# Allegro board RK3576_Template_LP5D315P132SD8_25x36_2400MHz_H1R0_V11_20240530YWQ.brd (continued)
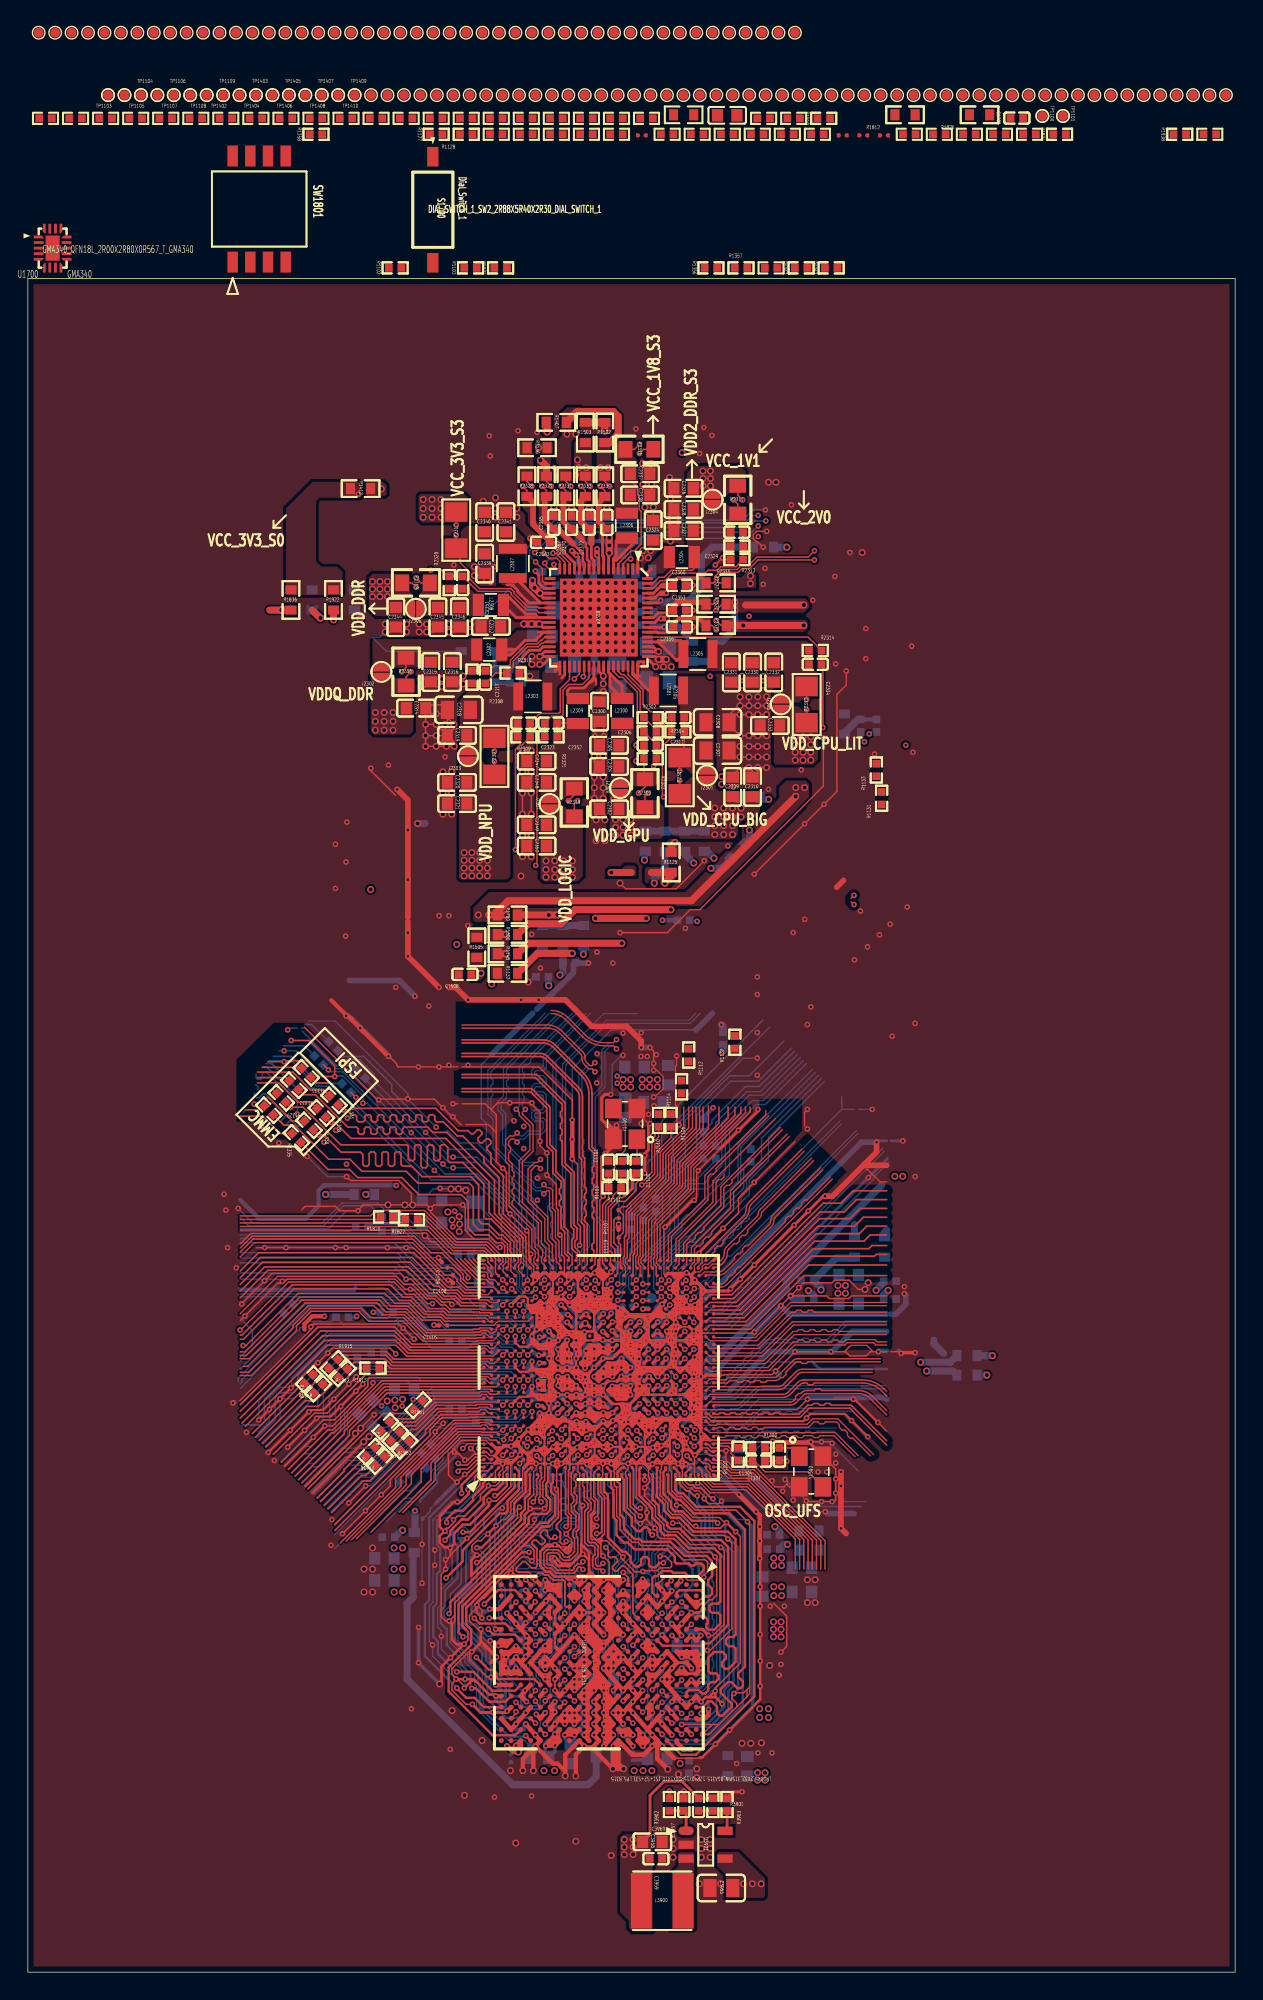
[diagram p0: board, top side]
## Copper pours and planes (outline as drawn; the poured copper is in the pictures) (continued)
PMIC_SW8 on TOP: 42.13,101.52 42.06,101.59 42.1,101.63 42.2,101.77 42.23,101.95 42.23,102.2 42.27,102.23 42.27,103.38 43.66,103.38 43.79,103.25 43.79,102.68 43.6,102.49 43.31,102.49 42.35,101.53 42.25,101.53 42.24,101.52
PMIC_SW9 on TOP: 44.47,100.33 44.47,100.61 44.57,100.71 44.57,100.99 45.82,102.24 46.46,102.24 46.46,100.96 46.11,100.96 45.61,100.46 45.23,100.46 45.13,100.35 45.11,100.35 45.09,100.33
PMIC_SW10 on TOP: 33.76,97.41 33.76,97.77 33.77,97.78 33.77,98.8 33.78,98.8 33.78,98.93 34.54,98.93 35.87,97.61 36.41,97.61 36.55,97.47 36.55,97.36 36.5,97.31 35.63,97.31 35.53,97.29 35.43,97.26 35.42,97.25 35.23,97.25 35.18,97.3 35,97.3 34.9,97.41
PMU_DVDD0V75 on L4-SIG: 44.07,40.64 44.33,40.89 44.33,45.09 44.83,45.59 44.83,46.61 45.59,47.37 46.86,47.37 47.37,47.88 47.37,49.91 47.5,49.91 48.64,51.05 49.02,51.05 50.36,52.39 50.36,54.86 50.42,54.93 50.42,57.02 49.91,57.02 49.4,56.52 49.4,54.1 46.8,51.5 46.8,50.74 46.36,50.29 46.36,47.88 46.23,47.75 45.47,47.75 44.07,46.35 43.94,46.35 43.44,45.85 43.05,45.85 42.61,45.4 42.61,43.94 42.07,43.4 42.07,43.08 41.91,42.93 41.91,41.53 42.8,40.64
PMUIO0_VCC1V8 on TOP: 46.61,79.38 46.61,78.61 46.1,78.1 44.58,78.1 44.32,78.36 44.32,79.25 44.45,79.38
PMUIO0_VCC1V8 on L4-SIG: 45.34,50.42 45.34,51.82 46.48,52.96 46.48,53.09 45.59,53.09 44.7,52.2 44.7,47.88 44.32,47.5 43.81,47.5 43.05,46.74 43.05,46.23 43.18,46.1 43.31,46.1 44.83,47.62 44.83,49.91
PMUIO1_VCC on L4-SIG: 43.94,52.83 43.31,52.83 43.31,50.55 43.43,50.42 43.43,47.75 43.56,47.62 43.81,47.62 43.94,47.75
SARADC_AVDD1V8 on L4-SIG: 33.66,46.23 30.86,49.02 29.21,49.02 29.15,48.96 29.84,48.26 30.61,48.26 33.78,45.09 36.7,45.09 37.08,45.47 37.08,45.72 36.58,46.23
UFS_AVDD0V85 on BOTTOM: 53.85,31.11 55.5,31.11 55.75,31.37 55.75,32.26 53.59,32.26 53.47,32.13 53.47,31.5
UFS_AVDD1V8 on BOTTOM: 54.99,29.84 55.88,29.84 55.88,30.99 53.98,30.99 53.72,30.73 53.72,30.35 53.85,30.23 54.61,30.23
USB2_OTG_AVDD1V8 on BOTTOM: 60.96,51.82 61.85,51.82 61.98,51.69 61.98,50.29 61.85,50.16 61.85,49.66 61.21,49.02 61.21,48.77 60.83,48.77 60.71,48.89 60.71,49.28 60.83,49.4 60.83,51.69
USB2_OTG_AVDD1V8 on L4-SIG: 45.85,42.67 45.59,42.42 45.59,42.16 45.72,42.04 45.72,41.91 45.97,41.66 47.37,41.66 47.62,41.91 50.8,41.91 50.8,42.04 52.83,42.04 53.47,42.67
USB2_OTG_AVDD3V3 on TOP: 25.53,107.06 24.38,107.06 24.26,106.93 24.26,106.17 24.38,106.04 25.65,106.04 25.78,106.17 25.78,106.81
USB2_OTG_DVDD0V75 on L4-SIG: 45.59,42.8 45.85,43.05 45.97,43.05 46.1,43.18 48.39,43.18 48.64,43.43 51.94,43.43 52.7,44.2 53.21,44.2 53.21,43.81 51.94,42.54 48.77,42.54 48.51,42.8 46.23,42.8 45.97,42.54 45.72,42.54 45.59,42.67
USB3_OTG0/DP_TX_AVDD0V85 on BOTTOM: 57.78,51.69 56.13,50.04 56.13,49.53 57.02,48.64 57.28,48.89 57.28,49.28 57.15,49.4 57.15,50.04 58.04,50.93 59.82,50.93 59.82,51.69
USB3_OTG0/DP_TX_AVDD0V85 on L4-SIG: 44.7,42.54 45.21,42.54 46.1,43.43 48.64,43.43 48.77,43.56 50.93,43.56 51.18,43.81 51.18,43.94 51.05,44.07 48.51,44.07 48.01,43.56 44.96,43.56 44.58,43.18 44.58,42.67
USB3_OTG0/DP_TX_AVDD1V8 on L4-SIG: 44.96,41.78 45.34,41.4 47.75,41.4 47.88,41.53 50.93,41.53 50.93,41.91 48.01,41.91 47.62,41.53 45.97,41.53 45.59,41.91 45.59,42.04 45.34,42.29 45.09,42.29 44.96,42.16
N35221815 on TOP: 46.23,3.05 47.75,3.05 47.88,3.17 47.88,8.51 47.75,8.64 46.86,8.64 46.74,8.51 46.74,7.62 46.23,7.11

Small or netless copper shapes (teardrops, artwork), in the pictures only: 2 on TOP, 1 on BOTTOM

## Text on the board
Ref Des/Silkscreen Bottom: FSPI | EMMC
Ref Des/Silkscreen Top: VCC_3V3_S0 | VDDQ_DDR | VDD_GPU | VDD_CPU_BIG | VCC_1V1 | OSC_UFS | VCC_2V0 | VDD_CPU_LIT | VDD_DDR | VCC_3V3_S3 | VDD_NPU | VDD_LOGIC | VCC_1V8_S3 | VDD2_DDR_S3 | EMMC | FSPI
